# Altium PCB A8_multiple.PcbDoc (part 5 of 10)
Units mm, origin at the board's own origin, x right, y up, seen from the top; angles counter-clockwise.
Board outline 140 x 140 mm, 2 copper layers (Top Layer, Bottom Layer); 80 components, 0 nets, 928 pads, 160 vias.
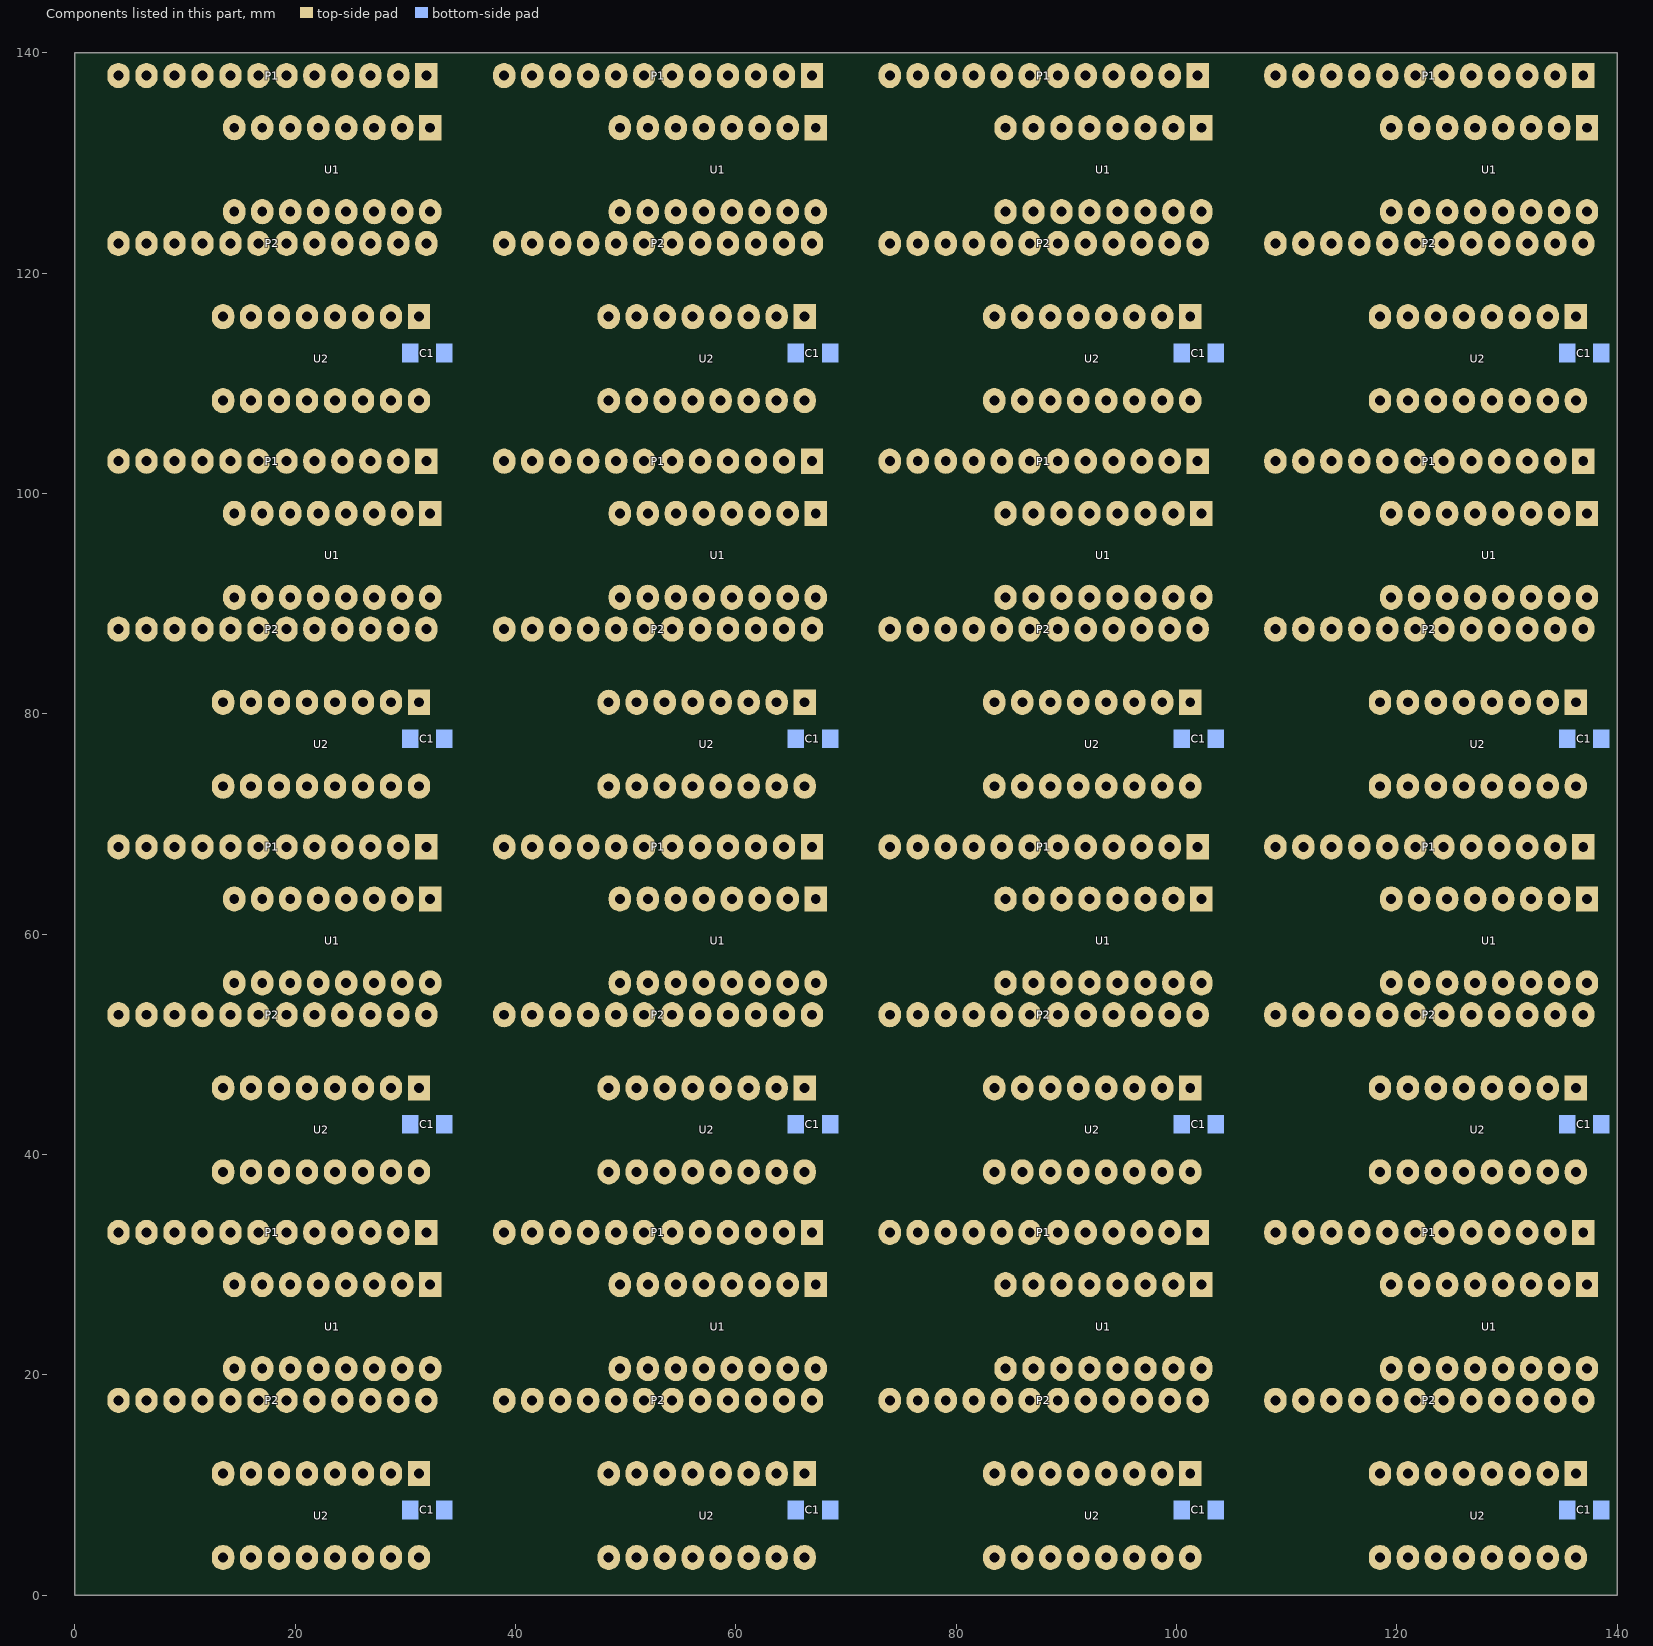
[diagram p5: the components of this part, seen from the top]

## Via types
v1: diameter 2.032, hole 0.711, Top Layer to Bottom Layer, 160 vias

## Nets (pads, with @x,y where several pads share a name; then routed paths per layer and width w, separated by ;. In a path a pad name is that pad's centre, name@x,y a point inside that pad or via, vN(x,y) a via of type N, cw(c..) or ccw(c..) an arc to the next point about the centre after c; other vN are vias at no path point) (continued)
copper on no net: (continued)
  Bottom Layer w0.559: 14.478,28.194 17.018,28.194 19.558,28.194 ; 14.478,63.194 17.018,63.194 19.558,63.194 ; 14.478,98.194 17.018,98.194 19.558,98.194 ; 14.478,133.194 17.018,133.194 19.558,133.194 ; 14.999,27.673 cw(c16.256,26.416) 16.256,28.194 cw(c16.256,29.972) 14.999,28.715 ; 14.999,62.673 cw(c16.256,61.416) 16.256,63.194 cw(c16.256,64.972) 14.999,63.715 ; 14.999,97.673 cw(c16.256,96.416) 16.256,98.194 cw(c16.256,99.972) 14.999,98.715 ; 14.999,132.673 cw(c16.256,131.416) 16.256,133.194 cw(c16.256,134.972) 14.999,133.715 ; 15.902,28.099 cw(c15.988,27.778) 16.309,27.868 ; 15.902,28.289 ccw(c15.988,28.61) 16.309,28.52 ; 15.902,63.099 cw(c15.988,62.778) 16.309,62.868 ; 15.902,63.289 ccw(c15.988,63.61) 16.309,63.52 ; 15.902,98.099 cw(c15.988,97.778) 16.309,97.868 ; 15.902,98.289 ccw(c15.988,98.61) 16.309,98.52 ; 15.902,133.099 cw(c15.988,132.778) 16.309,132.868 ; 15.902,133.289 ccw(c15.988,133.61) 16.309,133.52 ; 15.963,28.115 ccw(c15.786,28.778) 16.38,28.435 ; 15.963,28.273 cw(c15.786,27.61) 16.38,27.953 ; 15.963,63.115 ccw(c15.786,63.778) 16.38,63.435 ; 15.963,63.273 cw(c15.786,62.61) 16.38,62.953 ; 15.963,98.115 ccw(c15.786,98.778) 16.38,98.435 ; 15.963,98.273 cw(c15.786,97.61) 16.38,97.953 ; 15.963,133.115 ccw(c15.786,133.778) 16.38,133.435 ; 15.963,133.273 cw(c15.786,132.609) 16.38,132.953 ; 16.497,27.673 ccw(c15.24,26.416) 15.24,28.194 ccw(c15.24,29.972) 16.497,28.715 ; 16.497,62.673 ccw(c15.24,61.416) 15.24,63.194 ccw(c15.24,64.972) 16.497,63.715 ; 16.497,97.673 ccw(c15.24,96.416) 15.24,98.194 ccw(c15.24,99.972) 16.497,98.715 ; 16.497,132.673 ccw(c15.24,131.416) 15.24,133.194 ccw(c15.24,134.972) 16.497,133.715 ; 17.539,27.673 cw(c18.796,26.416) 18.796,28.194 cw(c18.796,29.972) 17.539,28.715 ; 17.539,62.673 cw(c18.796,61.416) 18.796,63.194 cw(c18.796,64.972) 17.539,63.715 ; 17.539,97.673 cw(c18.796,96.416) 18.796,98.194 cw(c18.796,99.972) 17.539,98.715 ; 17.539,132.673 cw(c18.796,131.416) 18.796,133.194 cw(c18.796,134.972) 17.539,133.715 ; 18.442,28.099 cw(c18.528,27.778) 18.849,27.868 ; 18.442,28.289 ccw(c18.528,28.61) 18.849,28.52 ; 18.442,63.099 cw(c18.528,62.778) 18.849,62.868 ; 18.442,63.289 ccw(c18.528,63.61) 18.849,63.52 ; 18.442,98.099 cw(c18.528,97.778) 18.849,97.868 ; 18.442,98.289 ccw(c18.528,98.61) 18.849,98.52 ; 18.442,133.099 cw(c18.528,132.778) 18.849,132.868 ; 18.442,133.289 ccw(c18.528,133.61) 18.849,133.52 ; 18.503,28.115 ccw(c18.326,28.778) 18.92,28.435 ; 18.503,28.273 cw(c18.326,27.61) 18.92,27.953 ; 18.503,63.115 ccw(c18.326,63.778) 18.92,63.435 ; 18.503,63.273 cw(c18.326,62.61) 18.92,62.953 ; 18.503,98.115 ccw(c18.326,98.778) 18.92,98.435 ; 18.503,98.273 cw(c18.326,97.61) 18.92,97.953 ; 18.503,133.115 ccw(c18.326,133.778) 18.92,133.435 ; 18.503,133.273 cw(c18.326,132.609) 18.92,132.953 ; 19.037,27.673 ccw(c17.78,26.416) 17.78,28.194 ccw(c17.78,29.972) 19.037,28.715 ; 19.037,62.673 ccw(c17.78,61.416) 17.78,63.194 ccw(c17.78,64.972) 19.037,63.715 ; 19.037,97.673 ccw(c17.78,96.416) 17.78,98.194 ccw(c17.78,99.972) 19.037,98.715 ; 19.037,132.673 ccw(c17.78,131.416) 17.78,133.194 ccw(c17.78,134.972) 19.037,133.715 ; 21.688,32.07 cw(c21.647,31.621) 22.098,31.621 ; 21.688,67.07 cw(c21.647,66.621) 22.098,66.621 ; 21.688,102.07 cw(c21.647,101.621) 22.098,101.621 ; 21.688,137.07 cw(c21.647,136.621) 22.098,136.621 ; 22.098,28.194 22.098,30.05 ; 22.098,32.588 22.098,31.672 22.225,31.545 22.225,30.177 22.098,30.05 ; 22.098,63.194 22.098,65.05 ; 22.098,67.588 22.098,66.672 22.225,66.545 22.225,65.177 22.098,65.05 ; 22.098,98.194 22.098,100.05 ; 22.098,102.588 22.098,101.672 22.225,101.545 22.225,100.177 22.098,100.05 ; 22.098,133.194 22.098,135.05 ; 22.098,137.588 22.098,136.672 22.225,136.545 22.225,135.177 22.098,135.05 ; 22.608,28.852 cw(c23.759,30.05) 22.098,30.05 ; 22.608,63.852 cw(c23.759,65.05) 22.098,65.05 ; 22.608,98.852 cw(c23.759,100.05) 22.098,100.05 ; 22.608,133.852 cw(c23.759,135.05) 22.098,135.05 ; 23.774,32.283 cw(c21.689,30.198) 24.638,30.198 ; 23.774,67.283 cw(c21.689,65.198) 24.638,65.198 ; 23.774,102.283 cw(c21.689,100.198) 24.638,100.198 ; 23.774,137.283 cw(c21.689,135.198) 24.638,135.198 ; 24.117,28.842 ccw(c22.86,30.099) 24.638,30.099 ccw(c26.416,30.099) 25.159,28.842 ; 24.117,63.842 ccw(c22.86,65.099) 24.638,65.099 ccw(c26.416,65.099) 25.159,63.842 ; 24.117,98.842 ccw(c22.86,100.099) 24.638,100.099 ccw(c26.416,100.099) 25.159,98.842 ; 24.117,133.842 ccw(c22.86,135.099) 24.638,135.099 ccw(c26.416,135.099) 25.159,133.842 ; 24.169,32.678 cw(c23.038,31.547) 24.638,31.547 ; 24.169,67.678 cw(c23.038,66.547) 24.638,66.547 ; 24.169,102.678 cw(c23.038,101.547) 24.638,101.547 ; 24.169,137.678 cw(c23.038,136.547) 24.638,136.547 ; 24.638,28.194 24.638,32.588 ; 24.638,63.194 24.638,67.588 ; 24.638,98.194 24.638,102.588 ; 24.638,133.194 24.638,137.588 ; 26.72,27.49 cw(c25.97,26.543) 27.178,26.543 ; 26.72,62.49 cw(c25.97,61.543) 27.178,61.543 ; 26.72,97.49 cw(c25.97,96.543) 27.178,96.543 ; 26.72,132.49 cw(c25.97,131.543) 27.178,131.543 ; 26.835,32.931 26.835,32.093 29.718,29.21 29.718,28.194 ; 26.835,67.931 26.835,67.093 29.718,64.21 29.718,63.194 ; 26.835,102.931 26.835,102.093 29.718,99.21 29.718,98.194 ; 26.835,137.931 26.835,137.093 29.718,134.21 29.718,133.194 ; 27.013,32.804 ccw(c29.159,32.804) 27.641,31.287 ; 27.013,67.804 ccw(c29.159,67.804) 27.641,66.287 ; 27.013,102.804 ccw(c29.159,102.804) 27.641,101.287 ; 27.013,137.804 ccw(c29.159,137.804) 27.641,136.287 ; 27.178,28.194 27.178,26.543 ; 27.178,63.194 27.178,61.543 ; 27.178,98.194 27.178,96.543 ; 27.178,133.194 27.178,131.543 ; 27.572,32.804 ccw(c31.066,32.804) 28.595,30.333 ; 27.572,67.804 ccw(c31.066,67.804) 28.595,65.333 ; 27.572,102.804 ccw(c31.066,102.804) 28.595,100.333 ; 27.572,137.804 ccw(c31.066,137.804) 28.595,135.333 ; 27.636,27.49 ccw(c28.386,26.543) 27.178,26.543 ; 27.636,62.49 ccw(c28.386,61.543) 27.178,61.543 ; 27.636,97.49 ccw(c28.386,96.543) 27.178,96.543 ; 27.636,132.49 ccw(c28.386,131.543) 27.178,131.543 ; 27.832,31.096 cw(c25.057,28.321) 28.981,28.321 ; 27.832,66.096 cw(c25.057,63.321) 28.981,63.321 ; 27.832,101.096 cw(c25.057,98.321) 28.981,98.321 ; 27.832,136.096 cw(c25.057,133.321) 28.981,133.321 ; 28.786,30.142 cw(c26.965,28.321) 29.54,28.321 ; 28.786,65.142 cw(c26.965,63.321) 29.54,63.321 ; 28.786,100.142 cw(c26.965,98.321) 29.54,98.321 ; 28.786,135.142 cw(c26.965,133.321) 29.54,133.321 ; 29.032,32.152 cw(c28.735,31.585) 29.375,31.585 ; 29.032,67.152 cw(c28.735,66.585) 29.375,66.585 ; 29.032,102.152 cw(c28.735,101.585) 29.375,101.585 ; 29.032,137.152 cw(c28.735,136.585) 29.375,136.585 ; 29.047,32.997 ccw(c29.928,32.478) 29.205,31.755 ; 29.047,67.997 ccw(c29.928,67.478) 29.205,66.755 ; 29.047,102.997 ccw(c29.928,102.478) 29.205,101.755 ; 29.047,137.997 ccw(c29.928,137.478) 29.205,136.755 ; 29.375,32.931 29.375,31.585 ; 29.375,67.931 29.375,66.585 ; 29.375,102.931 29.375,101.585 ; 29.375,137.931 29.375,136.585 ; 29.528,32.714 ccw(c30.571,32.1) 29.715,31.245 ; 29.528,67.714 ccw(c30.571,67.1) 29.715,66.245 ; 29.528,102.714 ccw(c30.571,102.1) 29.715,101.245 ; 29.528,137.714 ccw(c30.571,137.1) 29.715,136.245 ; 29.718,32.152 ccw(c30.015,31.585) 29.375,31.585 ; 29.718,67.152 ccw(c30.015,66.585) 29.375,66.585 ; 29.718,102.152 ccw(c30.015,101.585) 29.375,101.585 ; 29.718,137.152 ccw(c30.015,136.585) 29.375,136.585 ; 30.01,32.43 ccw(c31.214,31.722) 30.226,30.734 ; 30.01,67.43 ccw(c31.214,66.722) 30.226,65.734 ; 30.01,102.43 ccw(c31.214,101.722) 30.226,100.734 ; 30.01,137.43 ccw(c31.214,136.722) 30.226,135.734 ; 31.842,28.929 ccw(c31.302,29.718) 32.258,29.718 ; 31.842,63.929 ccw(c31.302,64.718) 32.258,64.718 ; 31.842,98.929 ccw(c31.302,99.718) 32.258,99.718 ; 31.842,133.929 ccw(c31.302,134.718) 32.258,134.718 ; 31.915,32.931 31.915,31.966 34.036,29.845 34.036,26.543 33.528,26.035 27.686,26.035 27.178,26.543 ; 31.915,67.931 31.915,66.966 34.036,64.845 34.036,61.543 33.528,61.035 27.686,61.035 27.178,61.543 ; 31.915,102.931 31.915,101.966 34.036,99.845 34.036,96.543 33.528,96.035 27.686,96.035 27.178,96.543 ; 31.915,137.931 31.915,136.966 34.036,134.845 34.036,131.543 33.528,131.035 27.686,131.035 27.178,131.543 ; 32.093,32.804 ccw(c34.545,32.804) 32.811,31.07 ; 32.093,67.804 ccw(c34.545,67.804) 32.811,66.07 ; 32.093,102.804 ccw(c34.545,102.804) 32.811,101.07 ; 32.093,137.804 ccw(c34.545,137.804) 32.811,136.07 ; 32.258,28.194 32.258,29.718 ; 32.258,63.194 32.258,64.718 ; 32.258,98.194 32.258,99.718 ; 32.258,133.194 32.258,134.718 ; 32.652,32.804 ccw(c36.453,32.804) 33.765,30.116 ; 32.652,67.804 ccw(c36.453,67.804) 33.765,65.116 ; 32.652,102.804 ccw(c36.453,102.804) 33.765,100.116 ; 32.652,137.804 ccw(c36.453,137.804) 33.765,135.116 ; 32.674,28.929 cw(c33.214,29.718) 32.258,29.718 ; 32.674,63.929 cw(c33.214,64.718) 32.258,64.718 ; 32.674,98.929 cw(c33.214,99.718) 32.258,99.718 ; 32.674,133.929 cw(c33.214,134.718) 32.258,134.718 ; 49.478,28.194 52.018,28.194 54.558,28.194 ; 49.478,63.194 52.018,63.194 54.558,63.194 ; 49.478,98.194 52.018,98.194 54.558,98.194 ; 49.478,133.194 52.018,133.194 54.558,133.194 ; 49.999,27.673 cw(c51.256,26.416) 51.256,28.194 cw(c51.256,29.972) 49.999,28.715 ; 49.999,62.673 cw(c51.256,61.416) 51.256,63.194 cw(c51.256,64.972) 49.999,63.715 ; 49.999,97.673 cw(c51.256,96.416) 51.256,98.194 cw(c51.256,99.972) 49.999,98.715 ; 49.999,132.673 cw(c51.256,131.416) 51.256,133.194 cw(c51.256,134.972) 49.999,133.715 ; 50.902,28.099 cw(c50.988,27.778) 51.309,27.868 ; 50.902,28.289 ccw(c50.988,28.61) 51.309,28.52 ; 50.902,63.099 cw(c50.988,62.778) 51.309,62.868 ; 50.902,63.289 ccw(c50.988,63.61) 51.309,63.52 ; 50.902,98.099 cw(c50.988,97.778) 51.309,97.868 ; 50.902,98.289 ccw(c50.988,98.61) 51.309,98.52 ; 50.902,133.099 cw(c50.988,132.778) 51.309,132.868 ; 50.902,133.289 ccw(c50.988,133.61) 51.309,133.52 ; 50.963,28.115 ccw(c50.786,28.778) 51.38,28.435 ; 50.963,28.273 cw(c50.786,27.61) 51.38,27.953 ; 50.963,63.115 ccw(c50.786,63.778) 51.38,63.435 ; 50.963,63.273 cw(c50.786,62.61) 51.38,62.953 ; 50.963,98.115 ccw(c50.786,98.778) 51.38,98.435 ; 50.963,98.273 cw(c50.786,97.61) 51.38,97.953 ; 50.963,133.115 ccw(c50.786,133.778) 51.38,133.435 ; 50.963,133.273 cw(c50.786,132.609) 51.38,132.953 ; 51.497,27.673 ccw(c50.24,26.416) 50.24,28.194 ccw(c50.24,29.972) 51.497,28.715 ; 51.497,62.673 ccw(c50.24,61.416) 50.24,63.194 ccw(c50.24,64.972) 51.497,63.715 ; 51.497,97.673 ccw(c50.24,96.416) 50.24,98.194 ccw(c50.24,99.972) 51.497,98.715 ; 51.497,132.673 ccw(c50.24,131.416) 50.24,133.194 ccw(c50.24,134.972) 51.497,133.715 ; 52.539,27.673 cw(c53.796,26.416) 53.796,28.194 cw(c53.796,29.972) 52.539,28.715 ; 52.539,62.673 cw(c53.796,61.416) 53.796,63.194 cw(c53.796,64.972) 52.539,63.715 ; 52.539,97.673 cw(c53.796,96.416) 53.796,98.194 cw(c53.796,99.972) 52.539,98.715 ; 52.539,132.673 cw(c53.796,131.416) 53.796,133.194 cw(c53.796,134.972) 52.539,133.715 ; 53.442,28.099 cw(c53.528,27.778) 53.849,27.868 ; 53.442,28.289 ccw(c53.528,28.61) 53.849,28.52 ; 53.442,63.099 cw(c53.528,62.778) 53.849,62.868 ; 53.442,63.289 ccw(c53.528,63.61) 53.849,63.52 ; 53.442,98.099 cw(c53.528,97.778) 53.849,97.868 ; 53.442,98.289 ccw(c53.528,98.61) 53.849,98.52 ; 53.442,133.099 cw(c53.528,132.778) 53.849,132.868 ; 53.442,133.289 ccw(c53.528,133.61) 53.849,133.52 ; 53.503,28.115 ccw(c53.326,28.778) 53.92,28.435 ; 53.503,28.273 cw(c53.326,27.61) 53.92,27.953 ; 53.503,63.115 ccw(c53.326,63.778) 53.92,63.435 ; 53.503,63.273 cw(c53.326,62.61) 53.92,62.953 ; 53.503,98.115 ccw(c53.326,98.778) 53.92,98.435 ; 53.503,98.273 cw(c53.326,97.61) 53.92,97.953 ; 53.503,133.115 ccw(c53.326,133.778) 53.92,133.435 ; 53.503,133.273 cw(c53.326,132.609) 53.92,132.953 ; 54.037,27.673 ccw(c52.78,26.416) 52.78,28.194 ccw(c52.78,29.972) 54.037,28.715 ; 54.037,62.673 ccw(c52.78,61.416) 52.78,63.194 ccw(c52.78,64.972) 54.037,63.715 ; 54.037,97.673 ccw(c52.78,96.416) 52.78,98.194 ccw(c52.78,99.972) 54.037,98.715 ; 54.037,132.673 ccw(c52.78,131.416) 52.78,133.194 ccw(c52.78,134.972) 54.037,133.715 ; 56.688,32.07 cw(c56.647,31.621) 57.098,31.621 ; 56.688,67.07 cw(c56.647,66.621) 57.098,66.621 ; 56.688,102.07 cw(c56.647,101.621) 57.098,101.621 ; 56.688,137.07 cw(c56.647,136.621) 57.098,136.621 ; 57.098,28.194 57.098,30.05 ; 57.098,32.588 57.098,31.672 57.225,31.545 57.225,30.177 57.098,30.05 ; 57.098,63.194 57.098,65.05 ; 57.098,67.588 57.098,66.672 57.225,66.545 57.225,65.177 57.098,65.05 ; 57.098,98.194 57.098,100.05 ; 57.098,102.588 57.098,101.672 57.225,101.545 57.225,100.177 57.098,100.05 ; 57.098,133.194 57.098,135.05 ; 57.098,137.588 57.098,136.672 57.225,136.545 57.225,135.177 57.098,135.05 ; 57.608,28.852 cw(c58.759,30.05) 57.098,30.05 ; 57.608,63.852 cw(c58.759,65.05) 57.098,65.05 ; 57.608,98.852 cw(c58.759,100.05) 57.098,100.05 ; 57.608,133.852 cw(c58.759,135.05) 57.098,135.05 ; 58.774,32.283 cw(c56.689,30.198) 59.638,30.198 ; 58.774,67.283 cw(c56.689,65.198) 59.638,65.198 ; 58.774,102.283 cw(c56.689,100.198) 59.638,100.198 ; 58.774,137.283 cw(c56.689,135.198) 59.638,135.198 ; 59.117,28.842 ccw(c57.86,30.099) 59.638,30.099 ccw(c61.416,30.099) 60.159,28.842 ; 59.117,63.842 ccw(c57.86,65.099) 59.638,65.099 ccw(c61.416,65.099) 60.159,63.842 ; 59.117,98.842 ccw(c57.86,100.099) 59.638,100.099 ccw(c61.416,100.099) 60.159,98.842 ; 59.117,133.842 ccw(c57.86,135.099) 59.638,135.099 ccw(c61.416,135.099) 60.159,133.842 ; 59.169,32.678 cw(c58.038,31.547) 59.638,31.547 ; 59.169,67.678 cw(c58.038,66.547) 59.638,66.547 ; 59.169,102.678 cw(c58.038,101.547) 59.638,101.547 ; 59.169,137.678 cw(c58.038,136.547) 59.638,136.547 ; 59.638,28.194 59.638,32.588 ; 59.638,63.194 59.638,67.588 ; 59.638,98.194 59.638,102.588 ; 59.638,133.194 59.638,137.588 ; 61.72,27.49 cw(c60.97,26.543) 62.178,26.543 ; 61.72,62.49 cw(c60.97,61.543) 62.178,61.543 ; 61.72,97.49 cw(c60.97,96.543) 62.178,96.543 ; 61.72,132.49 cw(c60.97,131.543) 62.178,131.543 ; 61.835,32.931 61.835,32.093 64.718,29.21 64.718,28.194 ; 61.835,67.931 61.835,67.093 64.718,64.21 64.718,63.194 ; 61.835,102.931 61.835,102.093 64.718,99.21 64.718,98.194 ; 61.835,137.931 61.835,137.093 64.718,134.21 64.718,133.194 ; 62.013,32.804 ccw(c64.159,32.804) 62.641,31.287 ; 62.013,67.804 ccw(c64.159,67.804) 62.641,66.287 ; 62.013,102.804 ccw(c64.159,102.804) 62.641,101.287 ; 62.013,137.804 ccw(c64.159,137.804) 62.641,136.287 ; 62.178,28.194 62.178,26.543 ; 62.178,63.194 62.178,61.543 ; 62.178,98.194 62.178,96.543 ; 62.178,133.194 62.178,131.543 ; 62.572,32.804 ccw(c66.066,32.804) 63.595,30.333 ; 62.572,67.804 ccw(c66.066,67.804) 63.595,65.333 ; 62.572,102.804 ccw(c66.066,102.804) 63.595,100.333 ; 62.572,137.804 ccw(c66.066,137.804) 63.595,135.333 ; 62.636,27.49 ccw(c63.386,26.543) 62.178,26.543 ; 62.636,62.49 ccw(c63.386,61.543) 62.178,61.543 ; 62.636,97.49 ccw(c63.386,96.543) 62.178,96.543 ; 62.636,132.49 ccw(c63.386,131.543) 62.178,131.543 ; 62.832,31.096 cw(c60.057,28.321) 63.981,28.321 ; 62.832,66.096 cw(c60.057,63.321) 63.981,63.321 ; 62.832,101.096 cw(c60.057,98.321) 63.981,98.321 ; 62.832,136.096 cw(c60.057,133.321) 63.981,133.321 ; 63.786,30.142 cw(c61.965,28.321) 64.54,28.321 ; 63.786,65.142 cw(c61.965,63.321) 64.54,63.321 ; 63.786,100.142 cw(c61.965,98.321) 64.54,98.321 ; 63.786,135.142 cw(c61.965,133.321) 64.54,133.321 ; 64.032,32.152 cw(c63.735,31.585) 64.375,31.585 ; 64.032,67.152 cw(c63.735,66.585) 64.375,66.585 ; 64.032,102.152 cw(c63.735,101.585) 64.375,101.585 ; 64.032,137.152 cw(c63.735,136.585) 64.375,136.585 ; 64.047,32.997 ccw(c64.928,32.478) 64.205,31.755 ; 64.047,67.997 ccw(c64.928,67.478) 64.205,66.755 ; 64.047,102.997 ccw(c64.928,102.478) 64.205,101.755 ; 64.047,137.997 ccw(c64.928,137.478) 64.205,136.755 ; 64.375,32.931 64.375,31.585 ; 64.375,67.931 64.375,66.585 ; 64.375,102.931 64.375,101.585 ; 64.375,137.931 64.375,136.585 ; 64.528,32.714 ccw(c65.571,32.1) 64.715,31.245 ; 64.528,67.714 ccw(c65.571,67.1) 64.715,66.245 ; 64.528,102.714 ccw(c65.571,102.1) 64.715,101.245 ; 64.528,137.714 ccw(c65.571,137.1) 64.715,136.245 ; 64.718,32.152 ccw(c65.015,31.585) 64.375,31.585 ; 64.718,67.152 ccw(c65.015,66.585) 64.375,66.585 ; 64.718,102.152 ccw(c65.015,101.585) 64.375,101.585 ; 64.718,137.152 ccw(c65.015,136.585) 64.375,136.585 ; 65.01,32.43 ccw(c66.214,31.722) 65.226,30.734 ; 65.01,67.43 ccw(c66.214,66.722) 65.226,65.734 ; 65.01,102.43 ccw(c66.214,101.722) 65.226,100.734 ; 65.01,137.43 ccw(c66.214,136.722) 65.226,135.734 ; 66.842,28.929 ccw(c66.302,29.718) 67.258,29.718 ; 66.842,63.929 ccw(c66.302,64.718) 67.258,64.718 ; 66.842,98.929 ccw(c66.302,99.718) 67.258,99.718 ; 66.842,133.929 ccw(c66.302,134.718) 67.258,134.718 ; 66.915,32.931 66.915,31.966 69.036,29.845 69.036,26.543 68.528,26.035 62.686,26.035 62.178,26.543 ; 66.915,67.931 66.915,66.966 69.036,64.845 69.036,61.543 68.528,61.035 62.686,61.035 62.178,61.543 ; 66.915,102.931 66.915,101.966 69.036,99.845 69.036,96.543 68.528,96.035 62.686,96.035 62.178,96.543 ; 66.915,137.931 66.915,136.966 69.036,134.845 69.036,131.543 68.528,131.035 62.686,131.035 62.178,131.543 ; 67.093,32.804 ccw(c69.545,32.804) 67.811,31.07 ; 67.093,67.804 ccw(c69.545,67.804) 67.811,66.07 ; 67.093,102.804 ccw(c69.545,102.804) 67.811,101.07 ; 67.093,137.804 ccw(c69.545,137.804) 67.811,136.07 ; 67.258,28.194 67.258,29.718 ; 67.258,63.194 67.258,64.718 ; 67.258,98.194 67.258,99.718 ; 67.258,133.194 67.258,134.718 ; 67.652,32.804 ccw(c71.453,32.804) 68.765,30.116 ; 67.652,67.804 ccw(c71.453,67.804) 68.765,65.116 ; 67.652,102.804 ccw(c71.453,102.804) 68.765,100.116 ; 67.652,137.804 ccw(c71.453,137.804) 68.765,135.116 ; 67.674,28.929 cw(c68.214,29.718) 67.258,29.718 ; 67.674,63.929 cw(c68.214,64.718) 67.258,64.718 ; 67.674,98.929 cw(c68.214,99.718) 67.258,99.718 ; 67.674,133.929 cw(c68.214,134.718) 67.258,134.718 ; 84.478,28.194 87.018,28.194 89.558,28.194 ; 84.478,63.194 87.018,63.194 89.558,63.194 ; 84.478,98.194 87.018,98.194 89.558,98.194 ; 84.478,133.194 87.018,133.194 89.558,133.194 ; 84.999,27.673 cw(c86.256,26.416) 86.256,28.194 cw(c86.256,29.972) 84.999,28.715 ; 84.999,62.673 cw(c86.256,61.416) 86.256,63.194 cw(c86.256,64.972) 84.999,63.715 ; 84.999,97.673 cw(c86.256,96.416) 86.256,98.194 cw(c86.256,99.972) 84.999,98.715 ; 84.999,132.673 cw(c86.256,131.416) 86.256,133.194 cw(c86.256,134.972) 84.999,133.715 ; 85.902,28.099 cw(c85.988,27.778) 86.309,27.868 ; 85.902,28.289 ccw(c85.988,28.61) 86.309,28.52 ; 85.902,63.099 cw(c85.988,62.778) 86.309,62.868 ; 85.902,63.289 ccw(c85.988,63.61) 86.309,63.52 ; 85.902,98.099 cw(c85.988,97.778) 86.309,97.868 ; 85.902,98.289 ccw(c85.988,98.61) 86.309,98.52 ; 85.902,133.099 cw(c85.988,132.778) 86.309,132.868 ; 85.902,133.289 ccw(c85.988,133.61) 86.309,133.52 ; 85.963,28.115 ccw(c85.786,28.778) 86.38,28.435 ; 85.963,28.273 cw(c85.786,27.61) 86.38,27.953 ; 85.963,63.115 ccw(c85.786,63.778) 86.38,63.435 ; 85.963,63.273 cw(c85.786,62.61) 86.38,62.953 ; 85.963,98.115 ccw(c85.786,98.778) 86.38,98.435 ; 85.963,98.273 cw(c85.786,97.61) 86.38,97.953 ; 85.963,133.115 ccw(c85.786,133.778) 86.38,133.435 ; 85.963,133.273 cw(c85.786,132.609) 86.38,132.953 ; 86.497,27.673 ccw(c85.24,26.416) 85.24,28.194 ccw(c85.24,29.972) 86.497,28.715 ; 86.497,62.673 ccw(c85.24,61.416) 85.24,63.194 ccw(c85.24,64.972) 86.497,63.715 ; 86.497,97.673 ccw(c85.24,96.416) 85.24,98.194 ccw(c85.24,99.972) 86.497,98.715 ; 86.497,132.673 ccw(c85.24,131.416) 85.24,133.194 ccw(c85.24,134.972) 86.497,133.715 ; 87.539,27.673 cw(c88.796,26.416) 88.796,28.194 cw(c88.796,29.972) 87.539,28.715 ; 87.539,62.673 cw(c88.796,61.416) 88.796,63.194 cw(c88.796,64.972) 87.539,63.715 ; 87.539,97.673 cw(c88.796,96.416) 88.796,98.194 cw(c88.796,99.972) 87.539,98.715 ; 87.539,132.673 cw(c88.796,131.416) 88.796,133.194 cw(c88.796,134.972) 87.539,133.715 ; 88.442,28.099 cw(c88.528,27.778) 88.849,27.868 ; 88.442,28.289 ccw(c88.528,28.61) 88.849,28.52 ; 88.442,63.099 cw(c88.528,62.778) 88.849,62.868 ; 88.442,63.289 ccw(c88.528,63.61) 88.849,63.52 ; 88.442,98.099 cw(c88.528,97.778) 88.849,97.868 ; 88.442,98.289 ccw(c88.528,98.61) 88.849,98.52 ; 88.442,133.099 cw(c88.528,132.778) 88.849,132.868 ; 88.442,133.289 ccw(c88.528,133.61) 88.849,133.52 ; 88.503,28.115 ccw(c88.326,28.778) 88.92,28.435 ; 88.503,28.273 cw(c88.326,27.61) 88.92,27.953 